# Altium PCB AVR64DA64-BREAKOUT.PcbDoc (part 4 of 4)
Units mm, origin at the board's own origin, x right, y up, seen from the top; angles counter-clockwise.
Board outline 160.02 x 165.1 mm, 2 copper layers (Top Layer, Bottom Layer), stack 1.591 mm thick; 428 components, 351 nets, 1607 pads, 177 vias.
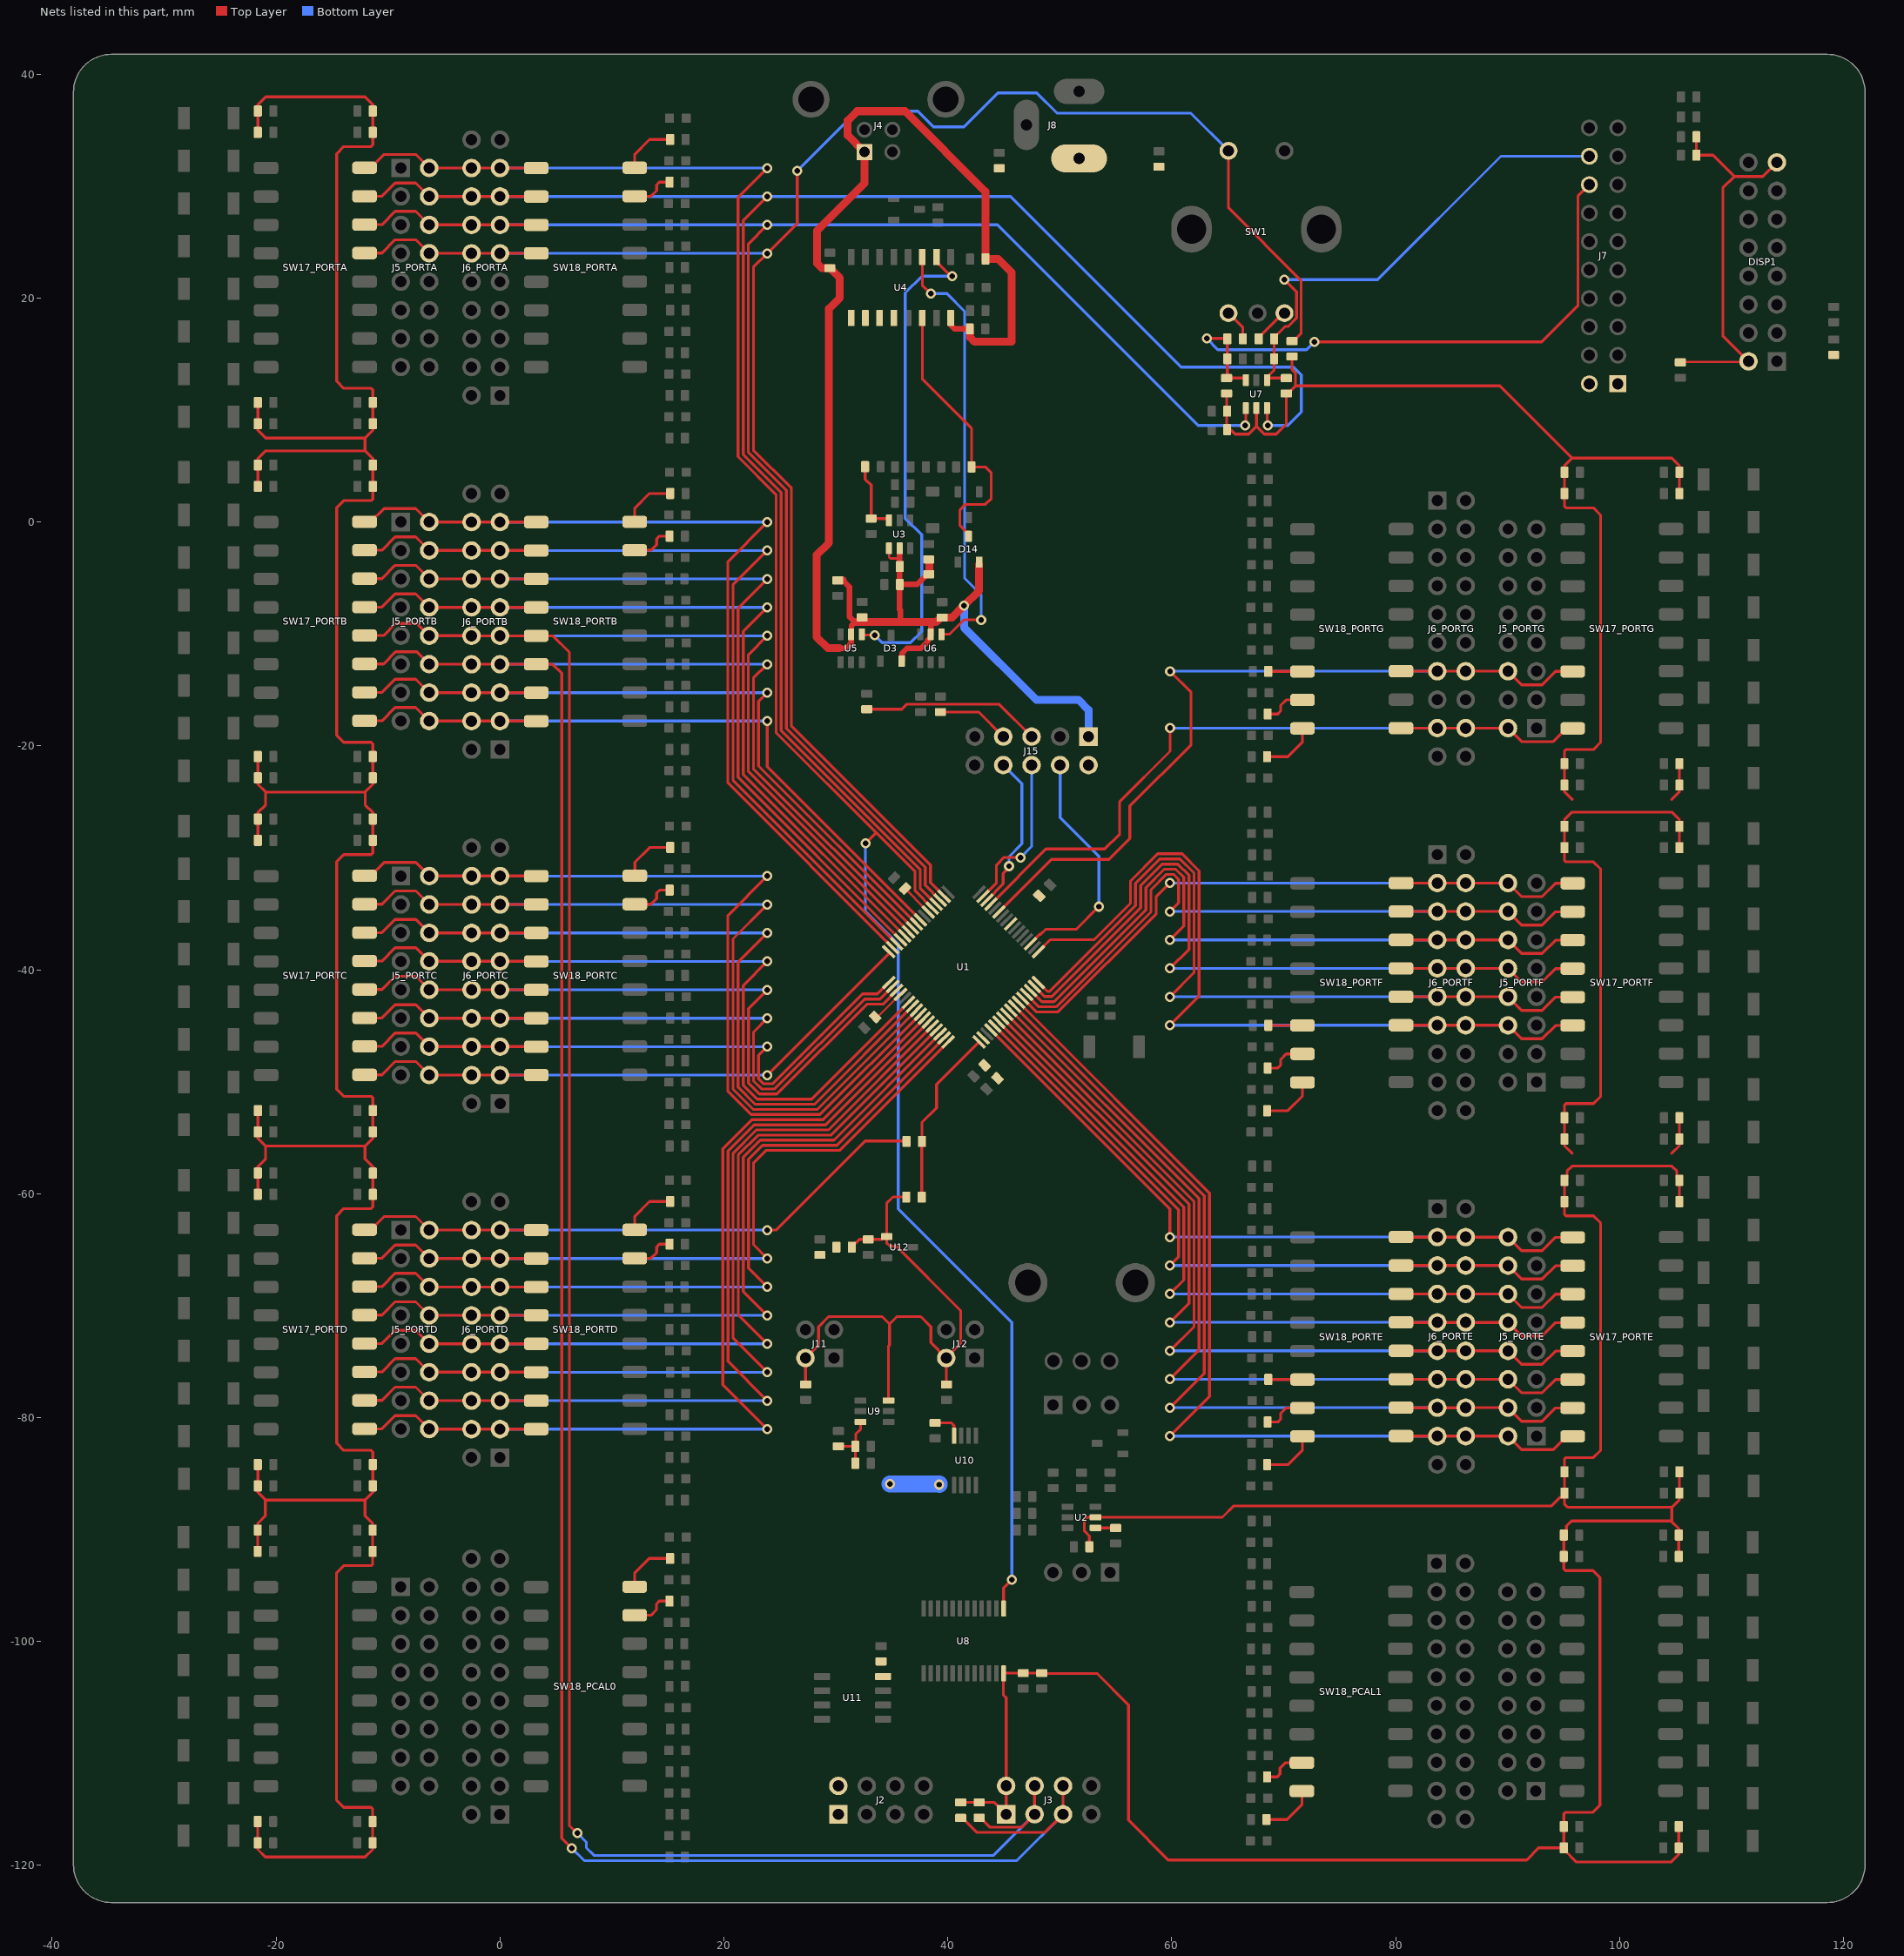
[diagram p4: the nets of this part, all layers, seen from the top]

## Via types
v1: diameter 0.9, hole 0.5, Top Layer to Bottom Layer, tented both sides, 177 vias

## Nets (pads, with @x,y where several pads share a name; then routed paths per layer and width w, separated by ;. In a path a pad name is that pad's centre, name@x,y a point inside that pad or via, vN(x,y) a via of type N, cw(c..) or ccw(c..) an arc to the next point about the centre after c; other vN are vias at no path point) (continued)
NetR35_PORTE_2: R35_PORTE.2 SW18_PORTE.6 | length 3.1
  Top Layer w0.254: R35_PORTE.2@68.622,-76.581 68.634,-76.593 SW18_PORTE.6@71.677,-76.593
NetR35_PORTF_2: R35_PORTF.2 SW18_PORTF.6 | length 3.1
  Top Layer w0.254: R35_PORTF.2@68.622,-44.958 68.634,-44.97 SW18_PORTF.6@71.677,-44.97
NetR35_PORTG_2: R35_PORTG.2 SW18_PORTG.6 | length 3.1
  Top Layer w0.254: R35_PORTG.2@68.622,-13.335 68.634,-13.347 SW18_PORTG.6@71.677,-13.347
NetR36_PCAL0_2: R36_PCAL0.2 SW18_PCAL0.7 | length 3.9
  Top Layer w0.254: SW18_PCAL0.7@12.024,-97.651 13.478,-97.651 13.974,-97.155 13.974,-96.647 14.228,-96.393 R36_PCAL0.2@15.134,-96.393
NetR36_PCAL1_2: R36_PCAL1.2 SW18_PCAL1.7 | length 3.9
  Top Layer w0.254: R36_PCAL1.2@68.512,-112.081 69.418,-112.081 69.672,-111.827 69.672,-111.319 70.167,-110.823 SW18_PCAL1.7@71.622,-110.823
NetR36_PORTA_2: R36_PORTA.2 SW18_PORTA.7 | length 3.9
  Top Layer w0.254: SW18_PORTA.7@12.036,29.108 13.49,29.108 13.986,29.603 13.986,30.111 14.24,30.365 R36_PORTA.2@15.146,30.365
NetR36_PORTB_2: R36_PORTB.2 SW18_PORTB.7 | length 3.9
  Top Layer w0.254: SW18_PORTB.7@12.036,-2.515 13.49,-2.515 13.986,-2.02 13.986,-1.512 14.24,-1.258 R36_PORTB.2@15.146,-1.258
NetR36_PORTC_2: R36_PORTC.2 SW18_PORTC.7 | length 3.9
  Top Layer w0.254: SW18_PORTC.7@12.04,-34.138 13.494,-34.138 13.99,-33.643 13.99,-33.135 14.244,-32.881 R36_PORTC.2@15.15,-32.881
NetR36_PORTD_2: R36_PORTD.2 SW18_PORTD.7 | length 3.9
  Top Layer w0.254: SW18_PORTD.7@12.036,-65.761 13.49,-65.761 13.986,-65.266 13.986,-64.758 14.24,-64.504 R36_PORTD.2@15.146,-64.504
NetR36_PORTE_2: R36_PORTE.2 SW18_PORTE.7 | length 3.9
  Top Layer w0.254: R36_PORTE.2@68.567,-80.391 69.473,-80.391 69.727,-80.137 69.727,-79.629 70.222,-79.133 SW18_PORTE.7@71.677,-79.133
NetR36_PORTF_2: R36_PORTF.2 SW18_PORTF.7 | length 3.9
  Top Layer w0.254: R36_PORTF.2@68.567,-48.768 69.473,-48.768 69.727,-48.514 69.727,-48.006 70.222,-47.51 SW18_PORTF.7@71.677,-47.51
NetR36_PORTG_2: R36_PORTG.2 SW18_PORTG.7 | length 3.9
  Top Layer w0.254: R36_PORTG.2@68.567,-17.145 69.473,-17.145 69.727,-16.891 69.727,-16.383 70.222,-15.887 SW18_PORTG.7@71.677,-15.887
NetR37_PCAL0_2: R37_PCAL0.2 SW18_PCAL0.8 | length 4.9
  Top Layer w0.254: SW18_PCAL0.8@12.024,-95.111 12.024,-93.898 13.339,-92.583 R37_PCAL0.2@15.189,-92.583
NetR37_PCAL1_2: R37_PCAL1.2 SW18_PCAL1.8 | length 4.9
  Top Layer w0.254: R37_PCAL1.2@68.457,-115.891 70.307,-115.891 71.622,-114.576 SW18_PCAL1.8@71.622,-113.363
NetR37_PORTA_2: R37_PORTA.2 SW18_PORTA.8 | length 4.9
  Top Layer w0.254: SW18_PORTA.8@12.036,31.648 12.036,32.86 13.351,34.175 R37_PORTA.2@15.201,34.175
NetR37_PORTB_2: R37_PORTB.2 SW18_PORTB.8 | length 4.9
  Top Layer w0.254: SW18_PORTB.8@12.036,0.025 12.036,1.237 13.351,2.552 R37_PORTB.2@15.201,2.552
NetR37_PORTC_2: R37_PORTC.2 SW18_PORTC.8 | length 4.9
  Top Layer w0.254: SW18_PORTC.8@12.04,-31.598 12.04,-30.386 13.355,-29.071 R37_PORTC.2@15.205,-29.071
NetR37_PORTD_2: R37_PORTD.2 SW18_PORTD.8 | length 4.9
  Top Layer w0.254: SW18_PORTD.8@12.036,-63.221 12.036,-62.009 13.351,-60.694 R37_PORTD.2@15.201,-60.694
NetR37_PORTE_2: R37_PORTE.2 SW18_PORTE.8 | length 4.9
  Top Layer w0.254: R37_PORTE.2@68.512,-84.201 70.362,-84.201 71.677,-82.886 SW18_PORTE.8@71.677,-81.673
NetR37_PORTF_2: R37_PORTF.2 SW18_PORTF.8 | length 4.9
  Top Layer w0.254: R37_PORTF.2@68.512,-52.578 70.362,-52.578 71.677,-51.263 SW18_PORTF.8@71.677,-50.05
NetR37_PORTG_2: R37_PORTG.2 SW18_PORTG.8 | length 4.9
  Top Layer w0.254: R37_PORTG.2@68.512,-20.955 70.362,-20.955 71.677,-19.64 SW18_PORTG.8@71.677,-18.427
NetR39_2: R39.2 SW1.A | length 2.8
  Top Layer w0.254: SW1.A@65.064,18.662 66.349,17.377 R39.2@66.349,16.363
NetR40_2: R40.2 SW1.B | length 3.3
  Top Layer w0.254: R40.2@67.763,16.363 67.763,16.498 69.927,18.662 SW1.B@70.064,18.662
NetR41_2: R41.2 U2.4 | length 1.8
  Top Layer w0.254: U2.4@53.193,-89.85 53.199,-89.855 54.985,-89.855 R41.2@54.991,-89.861
NetR43_1: R43.1 R45.2 U3.3 | length 6.5
  Top Layer w0.254: R43.1@32.61,4.95 32.625,4.935 32.625,3.825 33.15,3.3 R45.2@33.15,0.315 34.602,0.315 34.75,0.167 U3.3@34.75,0.15
NetR46_2: R46.2 R47.2 U1.33 | length 16
  Top Layer w0.254: R46.2@37.665,-60.3 37.677,-60.287 37.677,-55.337 R47.2@37.69,-55.325 37.69,-53.623 38.989,-52.324 38.989,-50.229 U1.33@42.785,-46.433
NetU4_2: U4.2 U5.4 | length 44.1
  Top Layer w0.254: U5.4@32.316,-10.021 32.39,-10.095 v1(33.472,-10.095) ; U4.2@38.989,23.68 38.989,23.255 40.273,21.971 v1(40.386,21.971)
  Bottom Layer w0.254: v1(33.472,-10.095) 34.143,-10.766 36.673,-10.766 37.661,-9.779 37.661,-1.136 36.2,0.325 36.2,20.475 37.696,21.971 v1(40.386,21.971)
NetU4_3: U4.3 U6.4 | length 39.5
  Top Layer w0.254: U4.3@37.719,23.68 37.719,21.156 v1(38.475,20.4) ; U6.4@39.428,-10.021 39.444,-10.005 40.178,-10.005 41.452,-8.731 42.956,-8.731 v1(42.975,-8.75)
  Bottom Layer w0.254: v1(38.475,20.4) 39.925,20.4 41.5,18.825 41.5,-5.025 42.975,-6.5 v1(42.975,-8.75)
NetU4_9: U4.9
NetU4_10: U4.10
NetU4_11: U4.11
NetU4_12: U4.12
P5VD: C4.1 C5.1 C6.1 C7.1 C8.1 C10.1 C11.1 C12.1 C19.1 C20.1 C21.1 C22.1 C23.1 C24.1 C25.1 C26.1 C33.1 C34.1 C35.1 DISP1.2 DISP1.15 J2.1 J2.2 J3.1 J3.2 J7.1 J7.2 J8.1 J15.2 R3.1 R4.1 R5.1 R6.1 R7.1 R8.1 R9.1 R18.1 R22_PCAL0.1 R22_PCAL1.1 R22_PORTA.1 R22_PORTB.1 R22_PORTC.1 R22_PORTD.1 R22_PORTE.1 R22_PORTF.1 R22_PORTG.1 R23_PCAL0.1 R23_PCAL1.1 R23_PORTA.1 R23_PORTB.1 R23_PORTC.1 R23_PORTD.1 R23_PORTE.1 R23_PORTF.1 R23_PORTG.1 R24_PCAL0.1 R24_PCAL1.1 R24_PORTA.1 R24_PORTB.1 R24_PORTC.1 R24_PORTD.1 R24_PORTE.1 R24_PORTF.1 R24_PORTG.1 R25_PCAL0.1 R25_PCAL1.1 R25_PORTA.1 R25_PORTB.1 R25_PORTC.1 R25_PORTD.1 R25_PORTE.1 R25_PORTF.1 R25_PORTG.1 R26_PCAL0.1 R26_PCAL1.1 R26_PORTA.1 R26_PORTB.1 R26_PORTC.1 R26_PORTD.1 R26_PORTE.1 R26_PORTF.1 R26_PORTG.1 R27_PCAL0.1 R27_PCAL1.1 R27_PORTA.1 R27_PORTB.1 R27_PORTC.1 R27_PORTD.1 R27_PORTE.1 R27_PORTF.1 R27_PORTG.1 R28_PCAL0.1 R28_PCAL1.1 R28_PORTA.1 R28_PORTB.1 R28_PORTC.1 R28_PORTD.1 R28_PORTE.1 R28_PORTF.1 R28_PORTG.1 R29_PCAL0.1 R29_PCAL1.1 R29_PORTA.1 R29_PORTB.1 R29_PORTC.1 R29_PORTD.1 R29_PORTE.1 R29_PORTF.1 R29_PORTG.1 R42.1 U1.6 U1.20 U1.34 U1.56 U2.5 U7.5 U8.24 U9.3 U10.8 U11.8 | length 757.1
  Top Layer w0.2: C6.1@33.508,-44.216 33.79,-44.131 35.298,-42.623 U1.20@35.784,-42.191 ; C5.1@36.175,-32.746 36.358,-32.93 37.803,-34.374 U1.6@38.259,-34.837 ; C33.1@105.425,14.307 111.467,14.307 DISP1.2@111.51,14.35
  Top Layer w0.254: R22_PCAL0.1@-21.641,-116.078 -21.641,-118.563 -20.951,-119.253 -12.061,-119.253 -11.371,-118.563 -11.371,-114.957 -11.52,-114.808 -13.966,-114.808 -14.601,-114.173 -14.601,-93.853 -13.966,-93.218 -11.52,-93.218 -11.371,-93.069 -11.371,-89.463 -12.061,-88.773 -12.061,-87.376 -12.049,-87.364 ; R28_PCAL0.1@-21.641,-90.043 R29_PCAL0.1@-21.641,-91.948 -21.641,-89.463 -20.951,-88.773 -20.951,-87.376 -20.939,-87.364 ; R22_PORTD.1@-21.629,-84.189 -21.629,-86.674 -20.939,-87.364 ; R28_PORTD.1@-21.629,-58.154 R29_PORTD.1@-21.629,-60.059 -21.629,-57.574 -20.939,-56.884 -20.939,-55.745 -20.935,-55.741 ; R22_PORTB.1@-21.629,-20.943 R23_PORTB.1@-21.629,-22.848 -21.629,-23.428 -20.939,-24.118 ; R28_PORTB.1@-21.629,5.092 R29_PORTB.1@-21.629,3.187 -21.629,5.672 -20.939,6.362 -12.049,6.362 ; R22_PORTA.1@-21.629,10.68 R23_PORTA.1@-21.629,8.775 -21.629,8.195 -20.939,7.505 -12.049,7.505 ; R28_PORTA.1@-21.629,36.715 R29_PORTA.1@-21.629,34.81 -21.629,37.295 -20.939,37.985 -12.049,37.985 -11.359,37.295 R27_PORTA.1@-11.359,36.715 R26_PORTA.1@-11.359,34.81 -11.359,33.689 -11.508,33.54 -13.954,33.54 -14.589,32.905 -14.589,12.585 -13.954,11.95 -11.508,11.95 -11.359,11.801 R25_PORTA.1@-11.359,10.68 R24_PORTA.1@-11.359,8.775 -11.359,8.195 -12.049,7.505 ; R22_PORTC.1@-21.625,-52.566 -21.625,-55.051 -20.935,-55.741 ; R28_PORTC.1@-21.625,-26.531 R29_PORTC.1@-21.625,-28.436 -21.625,-25.951 -20.935,-25.261 -20.935,-24.122 -20.939,-24.118 ; C21.1@30.225,-82.565 31.733,-82.565 31.775,-82.523 31.775,-81.475 32.2,-81.05 U9.3@32.2,-80.375 ; R3.1@31.741,-84.081 R4.1@31.741,-82.557 ; C22.1@38.862,-80.463 40.302,-80.463 40.544,-80.705 40.544,-81.61 U10.8@40.554,-81.62 ; R5.1@41.148,-114.372 44.148,-114.372 J3.1@45.208,-115.432 J3.2@45.208,-112.892 45.208,-105.025 44.958,-104.775 44.958,-102.872 45.015,-102.815 46.698,-102.815 46.732,-102.849 46.766,-102.815 48.353,-102.815 48.387,-102.849 53.319,-102.849 56.134,-105.664 56.134,-115.951 59.69,-119.507 91.694,-119.507 92.77,-118.431 R27_PCAL1.1@95.017,-118.431 ; C10.1@52.633,-91.538 52.633,-90.57 52.197,-90.134 52.197,-89.154 52.443,-88.908 53.185,-88.908 U2.5@53.193,-88.9 64.516,-88.9 65.532,-87.884 93.929,-87.884 94.704,-87.109 94.839,-87.109 R27_PORTE.1@95.072,-86.876 ; R8.1@64.897,11.482 64.897,8.636 65.677,7.856 66.871,7.856 67.564,8.549 ; U7.5@67.564,10.18 67.564,8.549 ; R9.1@70.739,14.784 70.739,13.623 71.056,13.306 71.056,12.172 ; 95.762,-56.388 95.072,-55.698 95.072,-52.092 95.221,-51.943 97.667,-51.943 98.302,-51.308 98.302,-30.988 97.667,-30.353 95.221,-30.353 95.072,-30.204 95.072,-26.598 95.762,-25.908 104.652,-25.908 105.342,-26.598 R22_PORTF.1@105.342,-29.083 ; 95.762,-24.765 95.072,-24.075 95.072,-20.469 95.221,-20.32 97.667,-20.32 98.302,-19.685 98.302,0.635 97.667,1.27 95.221,1.27 95.072,1.419 95.072,5.025 95.762,5.715 ; 104.652,-56.388 105.342,-55.698 R29_PORTF.1@105.342,-53.213 R28_PORTF.1@105.342,-55.118 ; 104.652,-24.765 105.342,-24.075 R29_PORTG.1@105.342,-21.59 R28_PORTG.1@105.342,-23.495 ; R28_PCAL1.1@105.287,-118.431 R29_PCAL1.1@105.287,-116.526 105.287,-119.011 104.597,-119.701 96.152,-119.701 95.017,-118.566 R27_PCAL1.1@95.017,-118.431 ; R22_PCAL1.1@105.287,-92.396 105.287,-90.488 105.287,-89.911 104.597,-89.221 ; R29_PORTE.1@105.342,-84.836 R28_PORTE.1@105.342,-86.741 105.342,-87.321 104.652,-88.011 ; R22_PORTE.1@105.342,-60.706 R23_PORTE.1@105.342,-58.801 105.109,-58.568 105.109,-57.988 104.652,-57.531 95.762,-57.531 95.305,-57.988 95.305,-58.568 R24_PORTE.1@95.072,-58.801 R25_PORTE.1@95.072,-60.706 95.072,-61.827 95.221,-61.976 97.667,-61.976 98.302,-62.611 98.302,-82.931 97.667,-83.566 95.221,-83.566 95.072,-83.715 R26_PORTE.1@95.072,-84.836 R27_PORTE.1@95.072,-86.741 R27_PORTE.1@95.072,-86.876 ; R22_PORTG.1@105.342,2.54 105.342,5.025 104.652,5.715 95.762,5.715 ; C19.1@106.862,34.417 C20.1@106.862,32.766 108.335,32.766 110.24,30.861 ; DISP1.2@111.51,14.35 109.224,16.637 109.224,29.845 110.24,30.861 ; DISP1.15@114.05,32.13 112.78,30.861 110.24,30.861 ; R18.1@118.991,14.931 R18.1@119.126,14.931 ; -20.939,-87.364 -12.049,-87.364 ; -20.939,-24.118 -12.049,-24.118 ; -20.935,-55.741 -12.045,-55.741 ; -12.049,-87.364 -11.359,-86.674 -11.359,-83.068 -11.508,-82.919 -13.954,-82.919 -14.589,-82.284 -14.589,-61.964 -13.954,-61.329 -11.508,-61.329 -11.359,-61.18 -11.359,-57.574 -12.049,-56.884 -12.049,-55.745 -12.045,-55.741 ; -12.049,-24.118 -12.045,-24.122 -12.045,-25.261 -11.355,-25.951 -11.355,-29.557 -11.504,-29.706 -13.95,-29.706 -14.585,-30.341 -14.585,-50.661 -13.95,-51.296 -11.504,-51.296 -11.355,-51.445 -11.355,-55.051 -12.045,-55.741 ; -12.049,-24.118 -11.359,-23.428 -11.359,-19.822 -11.508,-19.673 -13.954,-19.673 -14.589,-19.038 -14.589,1.282 -13.954,1.917 -11.508,1.917 -11.359,2.066 -11.359,5.672 -12.049,6.362 ; -12.049,6.362 -12.049,7.505 ; 67.564,8.549 67.8,8.313 68.257,7.856 69.324,7.856 70.231,8.763 R7.1@70.231,11.482 70.366,11.482 71.056,12.172 ; 71.056,12.172 89.305,12.172 95.762,5.715 ; R27_PCAL1.1@95.017,-118.431 R26_PCAL1.1@95.017,-116.526 95.017,-115.405 95.166,-115.256 97.612,-115.256 98.247,-114.621 98.247,-94.301 97.612,-93.666 95.166,-93.666 95.017,-93.517 R25_PCAL1.1@95.017,-92.396 R24_PCAL1.1@95.017,-90.491 95.25,-90.258 95.25,-89.678 95.707,-89.221 104.597,-89.221 ; R27_PORTE.1@95.072,-86.876 95.072,-87.706 95.377,-88.011 104.652,-88.011 ; 104.597,-89.221 104.652,-89.166 104.652,-88.011
  Bottom Layer w1.5: v1(34.841,-85.934) 39.241,-85.934 v1(39.241,-85.984)
PA4: J5_PORTA.8 J6_PORTA.11 J6_PORTA.12 R9.2 SW1.1 SW17_PORTA.5 SW18_PORTA.12 U1.2 | length 178.5
  Top Layer w0.254: SW17_PORTA.5@-12.094,24.028 -10.549,24.028 -9.362,25.214 -7.528,25.214 J5_PORTA.8@-6.322,24.008 -6.319,24.005 3.233,24.005 SW18_PORTA.12@3.236,24.003 ; v1(26.543,31.369) 26.543,26.67 v1(23.876,24.003) 22.639,22.766 22.639,6.419 26.028,3.03 26.028,-18.231 38.444,-30.647 38.444,-32.193 U1.2@39.673,-33.422 ; SW1.1@65.064,33.162 65.064,28.057 71.545,21.576 71.545,16.835 70.874,16.164 R9.2@70.739,16.164
  Bottom Layer w0.254: J6_PORTA.11@0,24.003 v1(23.876,24.003) ; v1(26.543,31.369) 31.877,36.703 37.31,36.703 38.706,35.306 41.456,35.306 44.475,38.325 47.95,38.325 49.75,36.525 61.701,36.525 SW1.1@65.064,33.162
PA5: J5_PORTA.6 J6_PORTA.13 J6_PORTA.14 SW17_PORTA.6 SW18_PORTA.11 U1.3 U7.4 | length 160
  Top Layer w0.254: SW17_PORTA.6@-12.094,26.568 -10.549,26.568 -9.362,27.754 -7.528,27.754 J5_PORTA.6@-6.322,26.548 -6.319,26.545 3.233,26.545 SW18_PORTA.11@3.236,26.543 ; v1(23.876,26.543) 22.181,24.848 22.181,6.23 25.571,2.841 25.571,-18.421 37.987,-30.837 37.987,-32.443 U1.3@39.32,-33.776 ; v1(66.548,8.636) 66.614,8.702 U7.4@66.614,10.18
  Bottom Layer w0.254: J6_PORTA.13@0,26.543 v1(23.876,26.543) 40.247,26.543 40.258,26.554 43.767,26.554 43.778,26.543 44.45,26.543 62.357,8.636 v1(66.548,8.636)
PA6: J5_PORTA.4 J6_PORTA.15 J6_PORTA.16 SW17_PORTA.7 SW18_PORTA.10 U1.4 U7.6 | length 174.1
  Top Layer w0.254: SW17_PORTA.7@-12.094,29.108 -10.549,29.108 -9.362,30.294 -7.528,30.294 J5_PORTA.4@-6.322,29.088 -6.319,29.085 3.233,29.085 SW18_PORTA.10@3.236,29.083 ; v1(23.876,29.083) 21.724,26.931 21.724,6.04 25.113,2.651 25.113,-18.61 37.53,-31.026 37.53,-32.693 U1.4@38.966,-34.13 ; U7.6@68.514,10.18 68.514,8.702 v1(68.58,8.636)
  Bottom Layer w0.254: J6_PORTA.15@0,29.083 v1(23.876,29.083) 45.593,29.083 60.841,13.835 70.874,13.835 71.569,13.14 71.569,9.847 70.358,8.636 v1(68.58,8.636)
PA7: J5_PORTA.2 J6_PORTA.17 J6_PORTA.18 SW17_PORTA.8 SW18_PORTA.9 U1.5 U8.1 | length 190
  Top Layer w0.254: SW17_PORTA.8@-12.094,31.648 -11.544,31.648 -10.357,32.834 -7.528,32.834 J5_PORTA.2@-6.322,31.628 -6.319,31.625 3.233,31.625 SW18_PORTA.9@3.236,31.623 ; v1(23.876,31.623) 21.267,29.014 21.267,5.851 24.656,2.462 24.656,-18.799 33.622,-27.765 ; v1(32.639,-28.702) 33.576,-27.765 33.622,-27.765 ; U1.5@38.613,-34.483 37.072,-32.943 37.072,-31.216 33.622,-27.765 ; U8.1@44.981,-97.049 44.981,-95.227 v1(45.72,-94.488)
  Bottom Layer w0.254: J6_PORTA.17@0,31.623 v1(23.876,31.623) ; v1(32.639,-28.702) 32.639,-34.798 35.56,-37.719 35.56,-61.341 45.72,-71.501 v1(45.72,-94.488)
PB0: J5_PORTB.16 J6_PORTB.3 J6_PORTB.4 SW17_PORTB.1 SW18_PORTB.16 U1.8 | length 63.6
  Top Layer w0.254: SW17_PORTB.1@-12.094,-17.755 -10.549,-17.755 -9.362,-16.569 -7.528,-16.569 J5_PORTB.16@-6.322,-17.775 -6.319,-17.778 3.233,-17.778 SW18_PORTB.16@3.236,-17.78 ; v1(23.876,-17.78) 23.876,-21.868 U1.8@37.552,-35.544
  Bottom Layer w0.254: J6_PORTB.3@0,-17.78 v1(23.876,-17.78)
PB1: J5_PORTB.14 J6_PORTB.5 J6_PORTB.6 SW17_PORTB.2 SW18_PORTB.15 U1.9 | length 67
  Top Layer w0.254: SW17_PORTB.2@-12.094,-15.215 -10.549,-15.215 -9.362,-14.029 -7.528,-14.029 J5_PORTB.14@-6.322,-15.235 -6.319,-15.238 3.233,-15.238 SW18_PORTB.15@3.236,-15.24 ; v1(23.876,-15.24) 23.096,-16.02 23.096,-21.794 U1.9@37.199,-35.897
  Bottom Layer w0.254: J6_PORTB.5@0,-15.24 v1(23.876,-15.24)
PB4: J5_PORTB.8 J6_PORTB.11 J6_PORTB.12 SW17_PORTB.5 SW18_PORTB.12 U1.12 | length 76.4
  Top Layer w0.254: SW17_PORTB.5@-12.094,-7.595 -10.549,-7.595 -9.362,-6.409 -7.528,-6.409 J5_PORTB.8@-6.322,-7.615 -6.319,-7.618 3.233,-7.618 SW18_PORTB.12@3.236,-7.62 ; v1(23.876,-7.62) 21.724,-9.772 21.724,-22.544 U1.12@36.138,-36.958
  Bottom Layer w0.254: J6_PORTB.11@0,-7.62 v1(23.876,-7.62)
PB5: J5_PORTB.6 J6_PORTB.13 J6_PORTB.14 SW17_PORTB.6 SW18_PORTB.11 U1.13 | length 79.5
  Top Layer w0.254: SW17_PORTB.6@-12.094,-5.055 -10.549,-5.055 -9.362,-3.869 -7.528,-3.869 J5_PORTB.6@-6.322,-5.075 -6.319,-5.078 3.233,-5.078 SW18_PORTB.11@3.236,-5.08 ; v1(23.876,-5.08) 21.267,-7.689 21.267,-22.794 U1.13@35.784,-37.311
  Bottom Layer w0.254: J6_PORTB.13@0,-5.08 v1(23.876,-5.08)
PB6: J5_PORTB.4 J6_PORTB.15 J6_PORTB.16 SW17_PORTB.7 SW18_PORTB.10 U1.14 | length 82.7
  Top Layer w0.254: SW17_PORTB.7@-12.094,-2.515 -10.549,-2.515 -9.362,-1.329 -7.528,-1.329 J5_PORTB.4@-6.322,-2.535 -6.319,-2.538 3.233,-2.538 SW18_PORTB.10@3.236,-2.54 ; v1(23.876,-2.54) 20.81,-5.606 20.81,-23.044 U1.14@35.431,-37.665
  Bottom Layer w0.254: J6_PORTB.15@0,-2.54 v1(23.876,-2.54)
PB7: J5_PORTB.2 J6_PORTB.17 J6_PORTB.18 SW17_PORTB.8 SW18_PORTB.9 U1.15 | length 85.8
  Top Layer w0.254: SW17_PORTB.8@-12.094,0.025 -11.544,0.025 -10.357,1.211 -7.528,1.211 J5_PORTB.2@-6.322,0.005 -6.319,0.002 3.233,0.002 SW18_PORTB.9@3.236,0 ; v1(23.876,0) 20.353,-3.523 20.353,-23.294 U1.15@35.077,-38.019
  Bottom Layer w0.254: J6_PORTB.17@0,0 v1(23.876,0)
PC0: J5_PORTC.16 J6_PORTC.3 J6_PORTC.4 SW17_PORTC.1 SW18_PORTC.16 U1.16 | length 55.8
  Top Layer w0.254: SW17_PORTC.1@-12.09,-49.378 -10.545,-49.378 -9.358,-48.192 -7.524,-48.192 J5_PORTC.16@-6.318,-49.398 -6.315,-49.401 3.237,-49.401 SW18_PORTC.16@3.24,-49.403 ; v1(23.88,-49.403) 34.801,-38.482 34.801,-38.449 U1.16@34.724,-38.372
  Bottom Layer w0.254: J6_PORTC.3@0.004,-49.403 v1(23.88,-49.403)
PC1: J5_PORTC.14 J6_PORTC.5 J6_PORTC.6 SW17_PORTC.2 SW18_PORTC.15 U1.17 | length 58.9
  Top Layer w0.254: SW17_PORTC.2@-12.09,-46.838 -10.545,-46.838 -9.358,-45.652 -7.524,-45.652 -6.315,-46.861 3.237,-46.861 SW18_PORTC.15@3.24,-46.863 ; v1(23.88,-46.863) 23.1,-47.643 23.1,-49.726 23.557,-50.183 24.343,-50.183 32.376,-42.15 33.703,-42.15 U1.17@34.724,-41.13
  Bottom Layer w0.254: J6_PORTC.5@0.004,-46.863 v1(23.88,-46.863)
PC2: J5_PORTC.12 J6_PORTC.7 J6_PORTC.8 SW17_PORTC.3 SW18_PORTC.14 U1.18 | length 62.8
  Top Layer w0.254: SW17_PORTC.3@-12.09,-44.298 -10.545,-44.298 -9.358,-43.112 -7.524,-43.112 J5_PORTC.12@-6.318,-44.318 -6.315,-44.321 3.237,-44.321 SW18_PORTC.14@3.24,-44.323 ; v1(23.88,-44.323) 22.642,-45.56 22.642,-49.916 23.367,-50.64 24.532,-50.64 32.565,-42.607 33.953,-42.607 U1.18@35.077,-41.483
  Bottom Layer w0.254: J6_PORTC.7@0.004,-44.323 v1(23.88,-44.323)
PC3: J5_PORTC.10 J6_PORTC.9 J6_PORTC.10 SW17_PORTC.4 SW18_PORTC.13 U1.19 | length 66.7
  Top Layer w0.254: SW17_PORTC.4@-12.09,-41.758 -10.545,-41.758 -9.358,-40.572 -7.524,-40.572 J5_PORTC.10@-6.318,-41.778 -6.315,-41.781 3.237,-41.781 SW18_PORTC.13@3.24,-41.783 ; v1(23.88,-41.783) 22.185,-43.478 22.185,-50.105 23.178,-51.098 24.721,-51.098 32.754,-43.065 34.203,-43.065 U1.19@35.431,-41.837
  Bottom Layer w0.254: J6_PORTC.9@0.004,-41.783 v1(23.88,-41.783)